# Altium PCB Board.PcbDoc (part 4 of 7)
Units mil, origin at the board's own origin, x right, y up, seen from the top; angles counter-clockwise.
Board outline 7091.76 x 4731.03 mil, 4 copper layers (Top Layer, GND, VCC, Bottom Layer); 297 components, 197 nets, 1031 pads, 468 vias.
Unrouted connection lines stored in the file: 1.
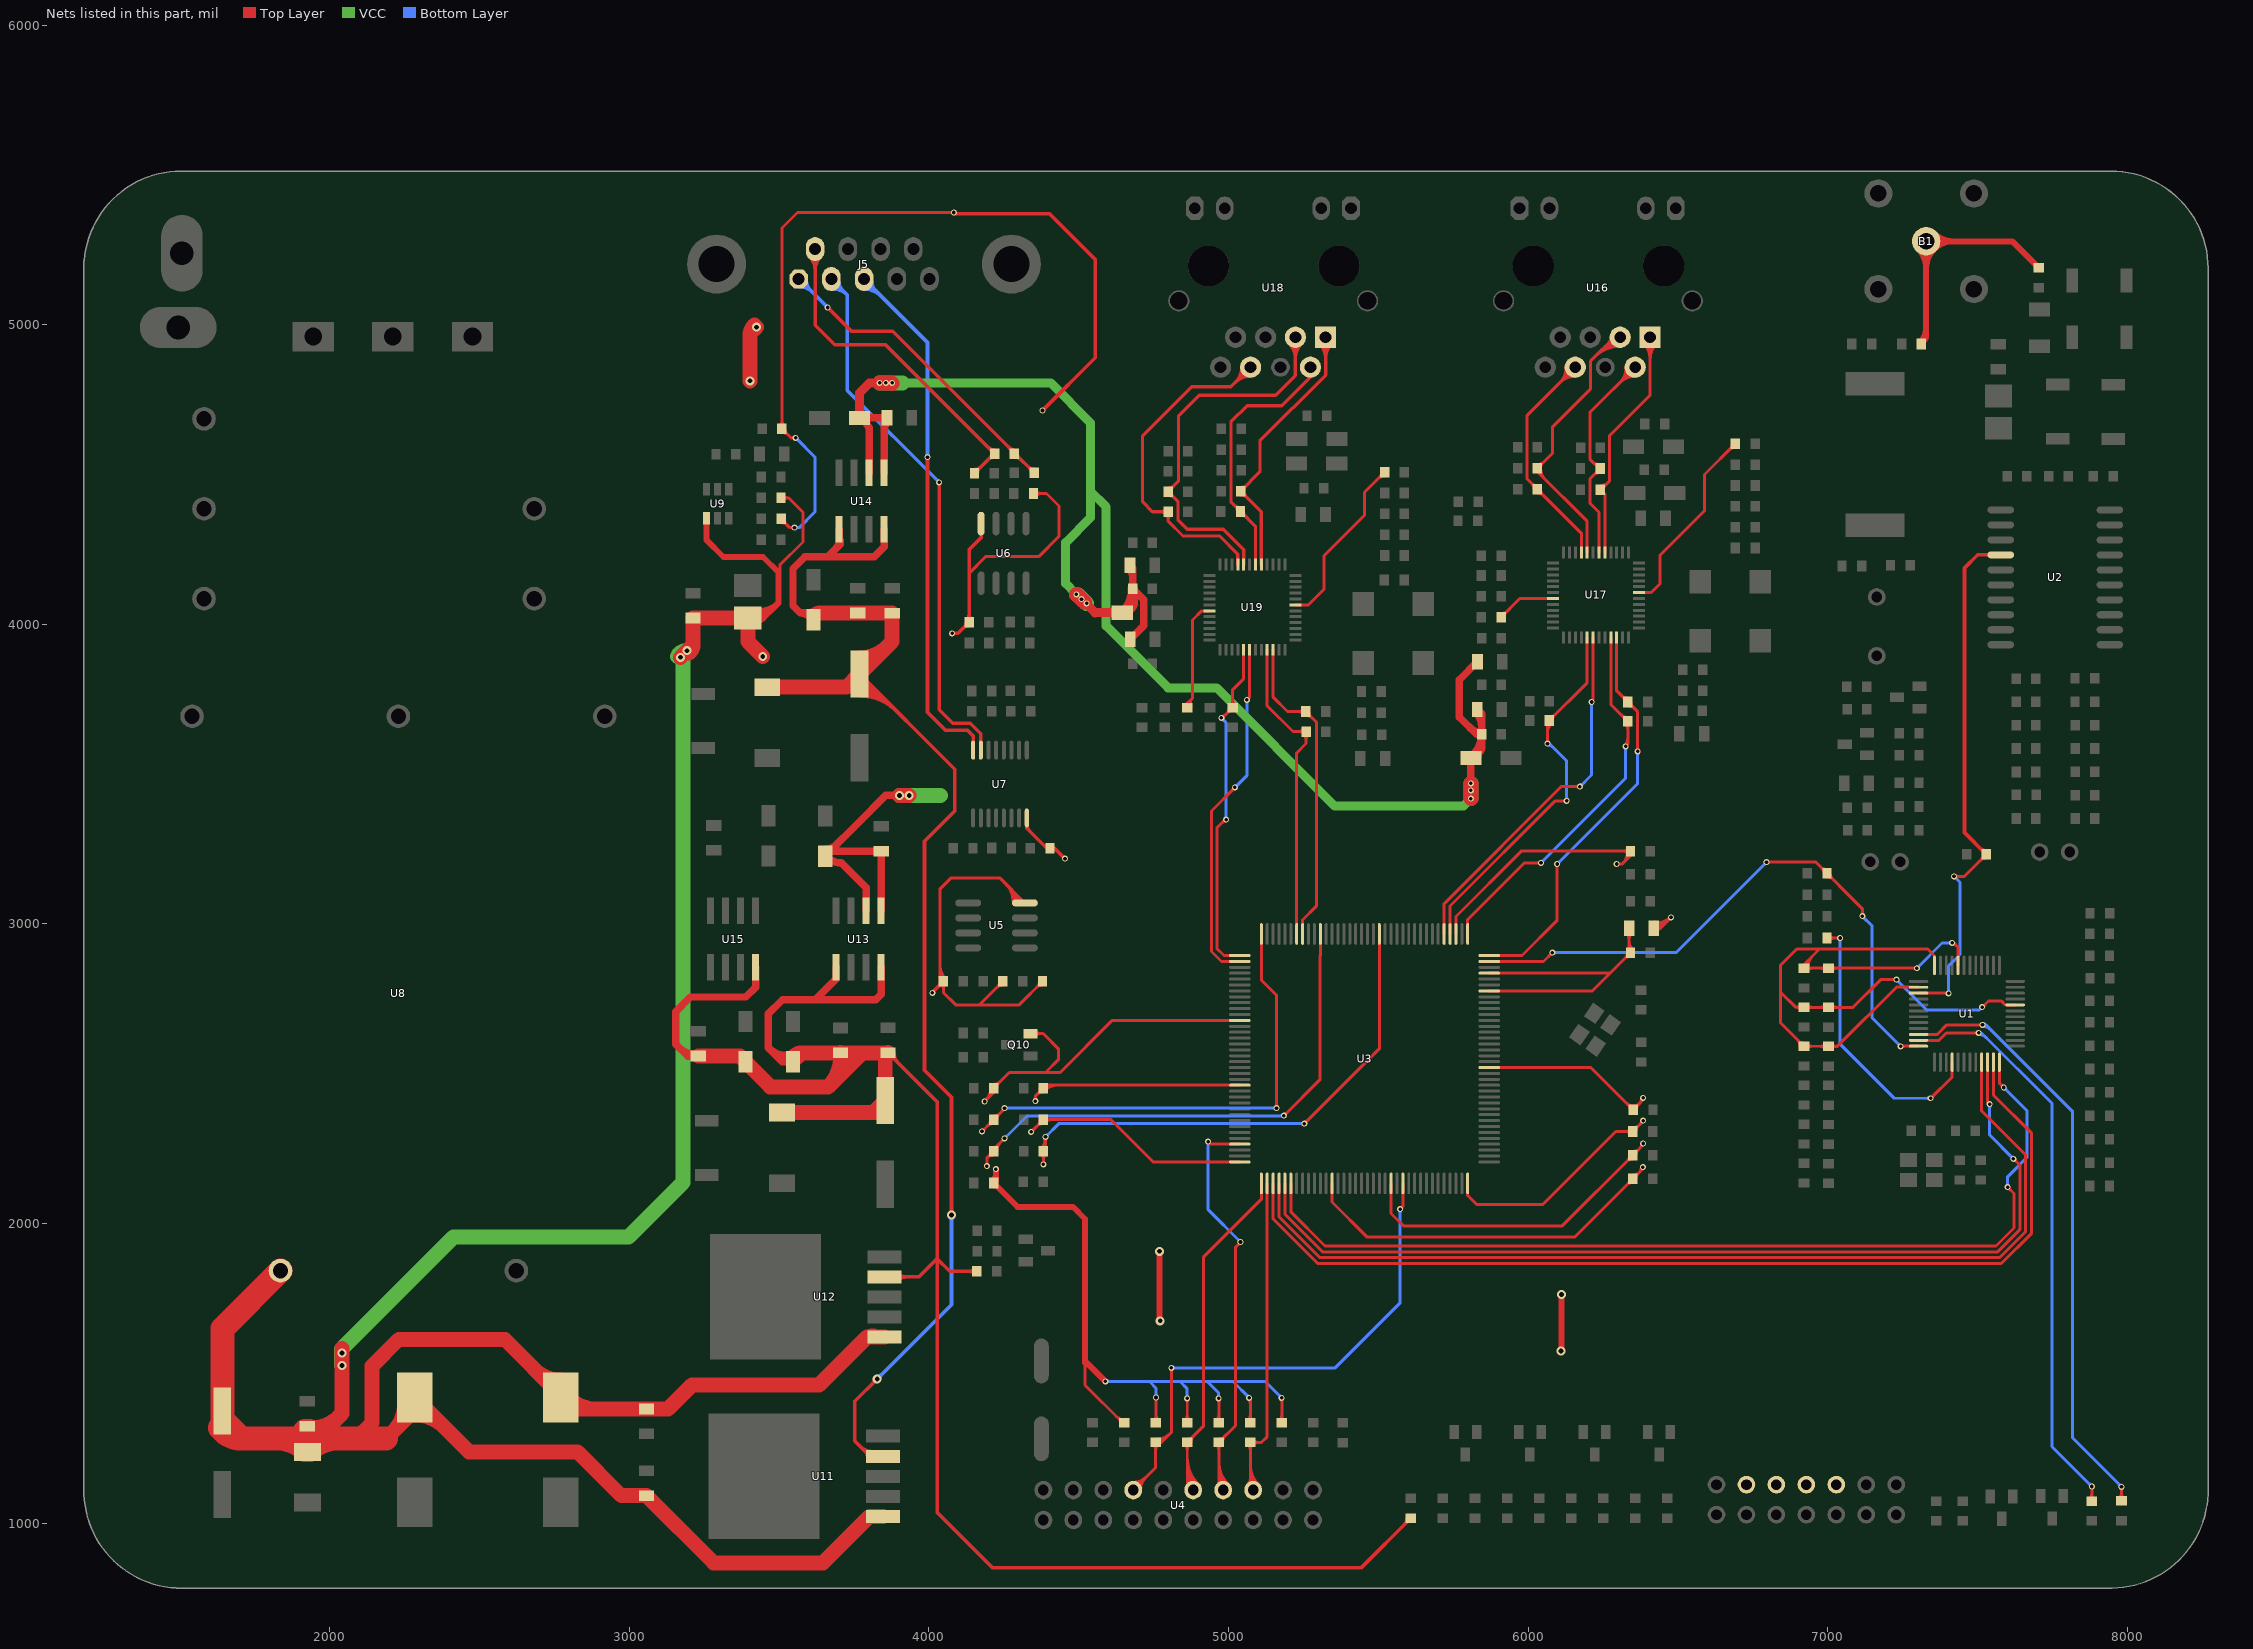
[diagram p6: the nets of this part, all layers, seen from the top]

## Via types
v1: diameter 20, hole 12, Top Layer to Bottom Layer, 399 vias
v2: diameter 30, hole 16, Top Layer to Bottom Layer, 68 vias
v3: diameter 25, hole 15, Top Layer to Bottom Layer, 1 vias

## Nets (pads, with @x,y where several pads share a name; then routed paths per layer and width w, separated by ;. In a path a pad name is that pad's centre, name@x,y a point inside that pad or via, vN(x,y) a via of type N, cw(c..) or ccw(c..) an arc to the next point about the centre after c; other vN are vias at no path point) (continued)
PWDN1: R91.2 U3.66 U19.45 | length 1124.7
  Top Layer w10: U19.45@5129.21,3915.27 5129.21,3727.79 5215,3642 5249,3642 R91.2@5258,3651 ; U3.66@5227.62,2966.34 5227.62,3570.62 5259,3602 R91.2@5259,3641 ; 5230.71,3642 ccw(c5230.71,3671.25) R91.2@5251.4,3650.57 ; 5235.39,3642 cw(c5235.39,3619.36) R91.2@5251.4,3635.37 ; R91.2@5251.4,3631.43 cw(c5233.05,3613.08) 5259,3613.08 cw(c5284.95,3613.08) R91.2@5266.6,3631.43
PWDN2: R71.2 U3.37 U17.45 | length 1433.7
  Top Layer w10: U3.37@5798.49,2966.34 5798.49,3014.49 5988,3204 v1(6043,3204) ; v1@6039.46,3200.46 ccw(c6030.93,3191.93) 6030.93,3204 ccw(c6030.93,3216.07) v1@6039.46,3207.54 ; U17.45@6276.21,3956.27 6276.21,3732.79 R71.2@6333,3676 6333,3600 v1(6326,3593) ; 6311.29,3697.71 ccw(c6333,3719.42) R71.2@6333,3688.72 ; 6316.04,3692.96 cw(c6301.06,3677.97) R71.2@6322.25,3677.97 ; v1@6322.46,3596.54 ccw(c6297.03,3621.97) 6333,3621.97 ; R71.2@6325.4,3666.43 cw(c6307.05,3648.08) 6333,3648.08 cw(c6358.95,3648.08) R71.2@6340.6,3666.43
  Bottom Layer w10: v1(6043,3204) 6326,3487 v1(6326,3593) ; v1@6043,3209 ccw(c6043,3221.07) 6051.54,3212.54 ccw(c6060.07,3204) v1@6048,3204 ; v1@6322.46,3589.46 cw(c6313.93,3580.93) 6326,3580.93 cw(c6338.07,3580.93) v1@6329.54,3589.46
RESET1: R102.2 U3.65 U19.46 | length 1145.1
  Top Layer w10: U19.46@5148.9,3915.27 5148.9,3757.1 5197,3709 R102.2@5258,3709 5293,3674 5293,3059.37 5247,3013.37 5247,2966.65 U3.65@5247.31,2966.34 ; R102.2@5250.4,3701.4 ccw(c5232.05,3683.05) 5232.05,3709 ccw(c5232.05,3734.95) R102.2@5250.4,3716.6 ; R102.2@5258,3696.28 cw(c5258,3665.58) 5279.71,3687.29 ; R102.2@5268.75,3707.03 ccw(c5289.94,3707.03) 5274.96,3692.04
RESET2: R82.2 U3.36 U17.46 | length 1523.1
  Top Layer w10: U3.36@5870.34,2894.49 5979.49,2894.49 6097,3012 v1(6097,3200) ; v1@6093.46,3196.46 cw(c6084.93,3187.93) 6097,3187.93 cw(c6109.07,3187.93) v1@6100.54,3196.46 ; U17.46@6295.9,3956.27 6295.9,3778.1 6366,3708 v1(6366,3576) v1@6370,3572 ; 6311.29,3762.71 ccw(c6333,3784.42) R82.2@6333,3753.72 ; 6316.04,3757.96 cw(c6301.06,3742.97) R82.2@6322.25,3742.97 ; R82.2@6333,3728.28 cw(c6333,3697.58) 6354.71,3719.29 ; R82.2@6343.75,3739.03 ccw(c6364.94,3739.03) 6349.96,3724.04 ; v1@6362.46,3579.54 ccw(c6353.93,3588.07) 6366,3588.07 ccw(c6378.07,3588.07) v1@6369.54,3579.54
  Bottom Layer w10: v1(6097,3200) 6366,3469 v1(6366,3576) ; v1@6097,3205 ccw(c6097,3217.07) 6105.54,3208.54 ccw(c6114.07,3200) v1@6102,3200 ; v1@6362.46,3572.46 cw(c6353.93,3563.93) 6366,3563.93 cw(c6378.07,3563.93) v1@6369.54,3572.46
RS232_RX: J5.2 U7.7 | length 1937
  Top Layer w12: v1(4034,4474) 4034,3715 4079,3670 4138,3670 4173.02,3634.98 U7.7@4173.02,3580.19
  Bottom Layer w12: J5.2@3674.17,5152.91 3727,5100.08 ; J5.2@3675.14,5130.95 cw(c3678.34,5088.41) 3708.51,5118.57 ; J5.2@3676.04,5118.98 cw(c3680.92,5054.01) 3727,5100.08 ; J5.2@3699.17,5143.91 ccw(c3737.79,5143.91) 3710.48,5116.6 ; v1(4034,4474) 3727,4781 3727,5100.08
RS232_TX: J5.3 U7.8 | length 1902.8
  Top Layer w12: v1(3995,4558) 3995,3707 4056,3646 4129,3646 4147.43,3627.57 U7.8@4147.43,3580.19
  Bottom Layer w12: J5.3@3783.33,5118.91 cw(c3783.33,5036.83) 3841.37,5094.87 ; J5.3@3783.33,5130.91 cw(c3783.33,5077.8) 3820.89,5115.36 ; J5.3@3783.33,5152.91 3995,4941.25 v1(3995,4558) ; J5.3@3808.33,5143.91 ccw(c3846.96,5143.91) 3819.65,5116.6
RS485_A: J5.1 R44.2 R47.1 | length 1290
  Top Layer w12: v1(3662,5058) 3741,4979 3879,4979 4285,4573 R44.2@4285,4570 4287,4570 R47.1@4351,4506 ; 4267.63,4590.37 cw(c4249.23,4571.97) R44.2@4275.25,4571.97 ; 4270.12,4587.88 ccw(c4285,4602.76) R44.2@4285,4581.72 ; R44.2@4285,4558.28 cw(c4285,4525.17) 4308.42,4548.58 ; R44.2@4294.75,4568.03 ccw(c4308.7,4568.03) R44.2@4298.83,4558.17 ; 4331,4526 ccw(c4351,4546) R47.1@4351,4517.72 ; R47.1@4335.75,4521.25 cw(c4322.47,4507.97) R47.1@4341.25,4507.97
  Bottom Layer w12: J5.1@3565,5127.91 cw(c3565,5062.52) 3611.24,5108.76 ; J5.1@3565,5139.91 cw(c3565,5103.49) 3590.75,5129.25 ; J5.1@3565,5152.91 3567.09,5152.91 v1(3662,5058) ; J5.1@3590,5152.91 ccw(c3645.32,5152.91) 3606.2,5113.8
RS485_B: J5.6 R43.1 R44.1 | length 1379.5
  Top Layer w12: J5.6@3602.32,5226.24 cw(c3559.64,5183.56) 3620,5183.56 cw(c3680.36,5183.56) J5.6@3637.68,5226.24 ; J5.6@3610.81,5234.72 cw(c3588.62,5212.53) 3620,5212.53 cw(c3651.38,5212.53) J5.6@3629.19,5234.72 ; J5.6@3620,5252.91 3620,4999 3685,4934 3855,4934 R44.1@4219,4570 4217,4570 R43.1@4152,4505 ; R43.1@4152,4516.72 ccw(c4152,4545) 4172,4525 ; R43.1@4161.75,4506.97 cw(c4180.53,4506.97) R43.1@4167.25,4520.25 ; 4195.58,4548.58 cw(c4219,4525.17) R44.1@4219,4558.28 ; 4199,4590 ccw(c4219,4610) R44.1@4219,4581.72 ; R44.1@4203.75,4585.25 cw(c4190.47,4571.97) R44.1@4209.25,4571.97 ; R44.1@4205.17,4558.17 ccw(c4195.3,4568.03) R44.1@4209.25,4568.03
RST1: R31.2 U1.24 U3.35 | length 2234.2
  Top Layer w10: U3.35@5870.34,2874.8 6051.8,2874.8 v1(6081,2904) ; v1@6076,2904 cw(c6063.93,2904) 6072.46,2895.46 cw(c6081,2886.93) v1@6081,2899 ; v1(6796,3206) 6961,3206 7116,3051 v1(7116,3026) ; v1@6799.54,3202.46 cw(c6808.07,3193.93) 6808.07,3206 cw(c6808.07,3218.07) v1@6799.54,3209.54 ; 6976.29,3190.71 ccw(c6998,3212.42) R31.2@6998,3181.72 ; 6981.04,3185.96 cw(c6966.06,3170.97) R31.2@6987.25,3170.97 ; R31.2@6998,3156.28 cw(c6998,3125.58) 7019.71,3147.29 ; R31.2@7008.75,3167.03 ccw(c7029.94,3167.03) 7014.96,3152.04 ; v1@7112.46,3029.54 ccw(c7103.93,3038.07) 7116,3038.07 ccw(c7128.07,3038.07) v1@7119.54,3029.54 ; v1(7244,2591) 7244.73,2591.73 U1.24@7303.58,2591.73 ; v1@7247.54,2587.46 cw(c7257.84,2577.16) 7257.84,2591.73 ; v1@7247.54,2594.54 ccw(c7254.3,2601.3) 7254.3,2591.73
  Bottom Layer w10: v1(6081,2904) 6494,2904 v1(6796,3206) ; v1@6084.54,2900.46 cw(c6093.07,2891.93) 6093.07,2904 cw(c6093.07,2916.07) v1@6084.54,2907.54 ; v1@6791,3206 cw(c6778.93,3206) 6787.46,3197.46 cw(c6796,3188.93) v1@6796,3201 ; v1(7116,3026) 7148,2994 7148,2687 v1(7244,2591) ; v1@7239,2591 ccw(c7226.93,2591) 7235.46,2599.54 ccw(c7244,2608.07) v1@7244,2596
RSV1: R98.2 U19.7 | length 631.9
  Top Layer w10: U19.7@5224,4065.11 5267.11,4065.11 5319,4117 5319,4229.08 5454,4364.08 5454,4441 R98.2@5521,4508 ; 5499.29,4486.29 cw(c5521,4464.58) R98.2@5521,4495.28 ; 5504.04,4491.04 ccw(c5489.06,4506.03) R98.2@5510.25,4506.03
RSV2: R78.2 U17.7 | length 694.1
  Top Layer w10: U17.7@6371,4106.11 6411.11,4106.11 6440,4135 6440,4230 6589,4379 6589,4500 R78.2@6692,4603 ; 6670.29,4581.29 cw(c6692,4559.58) R78.2@6692,4590.28 ; 6675.04,4586.04 ccw(c6660.06,4601.03) R78.2@6681.25,4601.03
RX_LED: R21.1 U1.23 | length 2062.1
  Top Layer w10: U1.23@7303.58,2611.42 7371.89,2611.42 7396.47,2636 v1(7504,2636) ; v1@7500.46,2632.46 ccw(c7491.93,2623.93) 7491.93,2636 ccw(c7491.93,2648.07) v1@7500.46,2639.54 ; R21.1@7874.4,1080.6 ccw(c7856.05,1098.95) 7882,1098.95 ccw(c7907.95,1098.95) R21.1@7889.6,1080.6 ; v1@7878.46,1118.46 cw(c7869.93,1109.93) 7882,1109.93 cw(c7894.07,1109.93) v1@7885.54,1118.46 ; R21.1@7882,1073 v1(7882,1122)
  Bottom Layer w10: v1@7504,2631 cw(c7504,2594.79) 7529.61,2620.39 ; v1(7504,2636) 7514,2636 7749,2401 7749,1255 v1(7882,1122) ; v1@7877,1122 ccw(c7864.93,1122) 7873.46,1130.54 ccw(c7882,1139.07) v1@7882,1127
RXN1: R109.1 U18.6 U19.21 | length 1381.9
  Top Layer w11: R109.1@4790.9,4366.79 cw(c4773.41,4349.29) 4798.15,4349.29 cw(c4822.89,4349.29) R109.1@4805.4,4366.79 ; R109.1@4790.9,4368.75 ccw(c4773.41,4351.26) 4773.41,4376 ccw(c4773.41,4400.74) R109.1@4790.9,4383.25 ; U19.21@5030.79,4199.27 5030.79,4234.21 4970,4295 4848,4295 4798.15,4344.85 R109.1@4798.15,4376 4746,4376 4713,4409 4713,4629 4877,4793 5007.98,4793 U18.6@5073.45,4858.47 ; U18.6@5043.52,4858.47 cw(c4971.25,4858.47) 5022.35,4807.37 cw(c5073.45,4756.27) U18.6@5073.45,4828.53 ; U18.6@5054.52,4858.47 cw(c5008.81,4858.47) 5041.13,4826.14 cw(c5073.45,4793.82) U18.6@5073.45,4839.53
RXN2: R89.1 U16.6 U17.21 | length 1034
  Top Layer w10: 6009.29,4472.71 ccw(c6031,4494.42) R89.1@6031,4463.72 ; 6014.04,4467.96 cw(c5999.06,4452.97) R89.1@6020.25,4452.97 ; R89.1@6031,4438.28 cw(c6031,4407.58) 6052.71,4429.29 ; R89.1@6041.75,4449.03 ccw(c6062.94,4449.03) 6047.96,4434.04 ; U16.6@6127.02,4858.47 cw(c6053.54,4858.47) 6105.5,4806.51 cw(c6157.45,4754.56) U16.6@6157.45,4828.03 ; U16.6@6137.02,4858.47 cw(c6087.69,4858.47) 6122.57,4823.58 cw(c6157.45,4788.7) U16.6@6157.45,4838.03 ; U16.6@6157.45,4858.47 5997,4698.02 5997,4485 R89.1@6031,4451 6177.79,4304.21 U17.21@6177.79,4240.27
RXP1: R108.1 U18.3 U19.20 | length 1522.1
  Top Layer w11: R108.1@4798.15,4431.12 cw(c4798.15,4401.62) 4819,4422.48 ; R108.1@4798.15,4455.55 ccw(c4798.15,4485.04) 4819,4464.19 ; R108.1@4808.4,4441.36 ccw(c4828.39,4441.36) 4814.25,4427.23 ; R108.1@4808.4,4445.3 cw(c4828.39,4445.3) 4814.25,4459.44 ; U19.20@5050.47,4199.27 5050.47,4249.53 4982,4318 4862,4318 4831,4349 4831,4410.48 R108.1@4798.15,4443.33 4832.9,4478.09 4832.9,4486.79 4832.75,4486.94 4832.75,4694.75 4903,4765 5157,4765 5222.51,4830.51 5222.51,4957.53 U18.3@5223.45,4958.47 ; U18.3@5202.28,4937.3 cw(c5153.44,4888.45) 5222.51,4888.45 ; U18.3@5210.06,4945.08 cw(c5179.99,4915.01) 5222.51,4915.01 ; 5222.51,4883.95 cw(c5297.97,4883.95) U18.3@5244.61,4937.3 ; 5222.51,4910.5 cw(c5271.41,4910.5) U18.3@5236.84,4945.08
RXP2: R88.1 U16.3 U17.20 | length 1286.6
  Top Layer w10: R88.1@6031,4534 ccw(c6031,4565.37) 6053.19,4543.19 ; R88.1@6031.75,4519.31 ccw(c6054.91,4519.31) 6038.53,4502.93 ; R88.1@6041.75,4519.31 ccw(c6089.05,4519.31) 6055.6,4485.86 ; R88.1@6041.75,4523.25 cw(c6062.27,4523.25) 6047.76,4537.76 ; U17.20@6197.47,4240.27 6197.47,4343.99 6031,4510.46 R88.1@6031,4521.28 6031.28,4521.28 6082,4572 6082,4660 6209,4787 6209,4880 U16.3@6293.5,4964.5 ; 6221.38,4892.38 cw(c6307.45,4806.32) U16.3@6307.45,4928.03 ; 6238.45,4909.45 cw(c6307.45,4840.46) U16.3@6307.45,4938.03 ; 6255.52,4926.52 cw(c6307.45,4874.6) U16.3@6307.45,4948.03 ; 6269.63,4940.63 ccw(c6251.79,4958.47) U16.3@6277.02,4958.47 ; 6272.6,4943.6 cw(c6307.45,4908.74) U16.3@6307.45,4958.03
SCLK1: U3.74 U19.42 | length 1243
  Top Layer w10: 5011.76,3445.76 ccw(c5001.51,3456) v1@5016,3456 ; 5014.17,3448.17 cw(c5021,3441.34) v1@5021,3451 ; v1@5020.5,3454.5 4943,3377 4943,2908.16 4976.36,2874.8 U3.74@5037.66,2874.8 ; v1(5061,3748) 5070.16,3757.16 U19.42@5070.16,3915.27 ; v1@5061,3753 ccw(c5061,3765.07) 5069.54,3756.54 ccw(c5078.07,3748) v1@5066,3748
  Bottom Layer w10: v1(5021,3456) 5022,3456 5061,3495 v1(5061,3748) ; v1@5021,3461 ccw(c5021,3475.49) 5031.24,3465.24 ; v1@5026,3456 cw(c5035.66,3456) 5028.83,3462.83 ; v1@5057.46,3744.46 cw(c5048.93,3735.93) 5061,3735.93 cw(c5073.07,3735.93) v1@5064.54,3744.46
SCLK2: U3.41 U17.42 | length 1289.7
  Top Layer w10: U3.41@5719.75,2966.34 5719.75,3067.59 6110.16,3458 v1(6173,3458) ; v1@6169.46,3454.46 ccw(c6160.93,3445.93) 6160.93,3458 ccw(c6160.93,3470.07) v1@6169.46,3461.54 ; v1(6212,3741) 6217.16,3746.16 U17.42@6217.16,3956.27
  Bottom Layer w10: v1(6173,3458) 6212,3497 v1(6212,3741) ; v1@6173,3463 ccw(c6173,3475.07) 6181.54,3466.54 ccw(c6190.07,3458) v1@6178,3458 ; v1@6208.46,3737.46 cw(c6199.93,3728.93) 6212,3728.93 cw(c6224.07,3728.93) v1@6215.54,3737.46
SCS1: R104.2 U3.73 U19.41 | length 1287.5
  Top Layer w10: v1(4976,3688) 4980,3688 R104.2@5014,3722 ; v1@4976,3693 ccw(c4976,3714.73) 4991.36,3699.36 ; 4978.34,3337.34 cw(c4992,3323.69) v1@4992,3343 ; v1@4990,3349 4961,3320 4961,2918 4984.51,2894.49 U3.73@5037.66,2894.49 ; 4992.29,3700.29 ccw(c4970.58,3722) R104.2@5001.28,3722 ; 4997.04,3705.04 cw(c5012.03,3690.06) R104.2@5012.03,3711.25 ; R104.2@5006.4,3729.6 ccw(c4988.05,3747.95) 5014,3747.95 ccw(c5039.95,3747.95) R104.2@5021.6,3729.6 ; R104.2@5014,3715.46 R104.2@5014,3722 ; U19.41@5050.47,3915.27 5050.47,3818.63 5014,3782.16 R104.2@5014,3722
  Bottom Layer w10: v1@4976,3683 cw(c4976,3670.93) 4984.54,3679.46 cw(c4993.07,3688) v1@4981,3688 ; v1(4976,3688) 4991,3673 v1@4991,3348 ; 4991,3362.49 ccw(c5006.49,3362.49) v1@4995.54,3351.54
  other v1: 4992,3348
SCS2: R84.2 U3.40 U17.41 | length 1430.9
  Top Layer w10: U3.40@5739.43,2966.34 5739.43,3059.43 6091,3411 v1(6129,3411) ; v1@6061.46,3605.54 ccw(c6052.93,3614.07) 6065,3614.07 ccw(c6077.07,3614.07) v1@6068.54,3605.54 ; v1(6065,3602) 6065,3673 6197.47,3805.47 U17.41@6197.47,3956.27 ; 6065,3636.6 cw(c6111.43,3636.6) R84.2@6078.6,3669.43 ; 6065,3660.74 cw(c6087.29,3660.74) R84.2@6071.53,3676.5 ; R84.2@6071,3691.72 ccw(c6071,3722.42) 6092.71,3700.71 ; R84.2@6081.75,3680.97 cw(c6102.94,3680.97) 6087.96,3695.96 ; v1@6125.46,3407.46 ccw(c6116.93,3398.93) 6116.93,3411 ccw(c6116.93,3423.07) v1@6125.46,3414.54
  Bottom Layer w10: v1@6065,3597 cw(c6065,3570.44) 6083.78,3589.22 ; v1(6065,3602) 6071,3602 6129,3544 v1(6129,3411) ; v1@6125.46,3414.54 ccw(c6116.93,3423.07) 6129,3423.07 ccw(c6141.07,3423.07) v1@6132.54,3414.54
SHDN: R4.1 U1.28 | length 1024
  Top Layer w10: R4.1@6997.85,2953 v1(7042,2953) ; R4.1@7005.45,2945.4 cw(c7023.8,2927.05) 7023.8,2953 cw(c7023.8,2978.95) R4.1@7005.45,2960.6 ; v1@7038.46,2949.46 ccw(c7029.93,2940.93) 7029.93,2953 ccw(c7029.93,2965.07) v1@7038.46,2956.54 ; v1(7344,2418) 7344.53,2418 7415.79,2489.26 U1.28@7415.79,2538.58
  Bottom Layer w10: v1@7038.46,2949.46 cw(c7029.93,2940.93) 7042,2940.93 cw(c7054.07,2940.93) v1@7045.54,2949.46 ; v1(7042,2953) 7042,2598 7222,2418 v1(7344,2418) ; v1@7340.46,2414.46 ccw(c7331.93,2405.93) 7331.93,2418 ccw(c7331.93,2430.07) v1@7340.46,2421.54
SIGNAL: B1.2 C9.1 R22.2 | length 1162.7
  Top Layer w20: B1.2@7302.66,5252.66 cw(c7239.08,5189.08) 7329,5189.08 cw(c7418.92,5189.08) 7355.34,5252.66 cw(c7418.92,5189.08) 7418.92,5279 cw(c7418.92,5368.92) B1.2@7355.34,5305.34 ; R22.2@7308.94,4942.03 ccw(c7260.5,4990.47) 7329,4990.47 ; R22.2@7312.2,4943.66 ccw(c7309.47,4963) 7329,4963 ; R22.2@7318.26,4940.29 cw(c7330.35,4945.65) 7321,4955 7329,4963 ; R22.2@7318.75,4938.01 cw(c7353.75,4938.25) 7329,4963 ; C9.1@7691.83,5203.17 cw(c7678.65,5190) C9.1@7697.28,5190 ; C9.1@7705,5190 7616,5279 B1.2@7329,5279 7329,4963
SPD1: R101.2 U19.31 | length 419
  Top Layer w10: R101.2@4854,3728 4880,3754 ; R101.2@4865.16,3722.28 cw(c4883.11,3729.66) 4869.39,3743.39 ; R101.2@4874.41,3726.09 cw(c4898.15,3735.85) 4880,3754 ; U19.31@4936,4045.42 4911,4045.42 4880,4014.42 4880,3754
SPD2: R81.2 U17.31 | length 239.6
  Top Layer w10: R81.2@5910,4024 5972.42,4086.42 U17.31@6083,4086.42 ; R81.2@5910,4036.72 ccw(c5910,4067.42) 5931.71,4045.71 ; R81.2@5920.75,4025.97 cw(c5941.94,4025.97) 5926.96,4040.96
SPI3_CLK: U1.35 U3.111 | length 3378.6
  Top Layer w10: U3.111@5148.88,2133.66 5148.88,2014.6 5297.54,1865.94 7579.31,1865.94 7681.06,1967.69 7681.06,2300.89 7553.58,2428.36 U1.35@7553.58,2538.58
SPI3_MISO: U1.33 U3.112 | length 3323
  Top Layer w10: U3.112@5168.57,2133.66 5168.57,2022.76 5305.69,1885.63 7573.54,1885.63 7661.37,1973.46 7661.37,2228.63 7514.21,2375.79 U1.33@7514.21,2538.58
SPI3_MOSI: U1.34 U3.113 | length 3300.1
  Top Layer w10: U3.113@5188.25,2133.66 5188.25,2030.91 5313.85,1905.32 7567.77,1905.32 7641.69,1979.23 7641.69,2195 7620.69,2216 v1(7620,2216) ; U1.34@7533.9,2538.58 7533.9,2405.1 v1(7541,2398) ; v1@7620,2211 cw(c7620,2197.28) 7629.7,2206.98 ; v1@7625,2216 ccw(c7635.42,2216) 7628.05,2208.63
  Bottom Layer w10: v1@7537.46,2394.46 cw(c7528.93,2385.93) 7541,2385.93 cw(c7553.07,2385.93) v1@7544.54,2394.46 ; v1(7541,2398) 7541,2295 v1(7620,2216) ; v1@7615,2216 ccw(c7602.93,2216) 7611.46,2224.54 ccw(c7620,2233.07) v1@7620,2221
SPI3_NSS: U1.36 U3.114 | length 3284.2
  Top Layer w10: U3.114@5207.94,2133.66 5207.94,2039.06 5322,1925 7562,1925 7622,1985 7622,2100 v1(7601,2121) ; U1.36@7573.27,2538.58 7573.27,2468.73 v1(7588,2454) ; v1@7583,2454 ccw(c7570.93,2454) 7579.46,2462.54 ccw(c7588,2471.07) v1@7588,2459 ; v1@7601,2116 cw(c7601,2103.93) 7609.54,2112.46 cw(c7618.07,2121) v1@7606,2121
  Bottom Layer w10: v1@7588,2449 cw(c7588,2436.93) 7596.54,2445.46 cw(c7605.07,2454) v1@7593,2454 ; v1(7588,2454) 7666,2376 7666,2221 7601,2156 v1(7601,2121) ; v1@7597.46,2124.54 ccw(c7588.93,2133.07) 7601,2133.07 ccw(c7613.07,2133.07) v1@7604.54,2124.54
TCK: R35.1 U3.109 U4.9 | length 1500.7
  Top Layer w10: R35.1@4854.58,1261.55 cw(c4836.23,1243.2) 4862.18,1243.2 cw(c4888.12,1243.2) R35.1@4869.78,1261.55 ; 4862.18,1146.12 ccw(c4916.65,1146.12) U4.9@4878.13,1107.6 ; 4862.18,1170.26 ccw(c4940.79,1170.26) U4.9@4885.2,1114.67 ; 4862.18,1194.4 ccw(c4964.93,1194.4) U4.9@4892.27,1121.74 ; 4862.18,1218.55 ccw(c4989.07,1218.55) U4.9@4899.34,1128.82 ; R35.1@4864.14,1279.9 ccw(c4864.14,1301.09) 4879.13,1286.11 ; R35.1@4874.89,1269.15 cw(c4905.59,1269.15) 4883.88,1290.86 ; U4.9@4882,1110 4862.18,1129.82 R35.1@4862.18,1269.15 4916,1322.97 4916,1887 5109.51,2080.51 U3.109@5109.51,2133.66
TDI: R37.1 U3.110 U4.5 | length 1334.2
  Top Layer w10: U4.5@5064.66,1128.82 ccw(c5045.51,1147.96) 5072.59,1147.96 ; R37.1@5064.99,1261.55 cw(c5046.64,1243.2) 5072.59,1243.2 cw(c5098.54,1243.2) R37.1@5080.19,1261.55 ; 5072.59,1145.13 ccw(c5115.65,1145.13) U4.5@5085.2,1114.67 ; 5072.59,1169.27 ccw(c5139.8,1169.27) U4.5@5092.27,1121.75 ; 5072.59,1193.41 ccw(c5163.94,1193.41) U4.5@5099.34,1128.82 ; U4.5@5082,1110 5072.59,1119.41 R37.1@5072.59,1269.15 5110.15,1269.15 5129.2,1288.2 U3.110@5129.2,2133.66 ; R37.1@5082.16,1261.55 cw(c5100.5,1243.2) 5100.5,1269.15 cw(c5100.5,1295.1) R37.1@5082.16,1276.75
TDO: R39.1 U3.133 U4.13 | length 2098.6
  Top Layer w10: U4.13@4682,1110 4756.97,1184.97 R39.1@4756.97,1269.15 4776.15,1269.15 ; U4.13@4682,1126 ccw(c4682,1164.63) 4709.31,1137.31 ; U4.13@4682,1136 ccw(c4682,1198.77) 4726.38,1154.38 ; U4.13@4696.53,1111.47 cw(c4728.05,1111.47) 4705.76,1133.76 ; U4.13@4706.53,1111.47 cw(c4762.19,1111.47) 4722.83,1150.83 ; R39.1@4749.37,1261.55 cw(c4731.02,1243.2) 4756.97,1243.2 cw(c4782.92,1243.2) R39.1@4764.57,1261.55 ; R39.1@4758.94,1269.9 ccw(c4758.94,1313.25) 4789.6,1282.6 ; R39.1@4758.94,1279.9 ccw(c4758.94,1347.4) 4806.67,1299.67 ; R39.1@4768.6,1264.43 cw(c4776.15,1260.75) 4776.15,1269.15 ; R39.1@4768.6,1273.87 ccw(c4776.15,1277.55) 4776.15,1269.15 ; v1@4805.46,1514.46 cw(c4796.93,1505.93) 4809,1505.93 cw(c4821.07,1505.93) v1@4812.54,1514.46 ; v1(4809,1518) 4809,1302 4776.15,1269.15 ; v1(5573,2048) 5581.95,2056.95 U3.133@5581.95,2133.66 ; v1@5573,2053 ccw(c5573,2065.07) 5581.54,2056.54 ccw(c5590.07,2048) v1@5578,2048
  Bottom Layer w10: v1(4809,1518) 5356,1518 5573,1735 v1(5573,2048) ; v1@4812.54,1514.46 cw(c4821.07,1505.93) 4821.07,1518 cw(c4821.07,1530.07) v1@4812.54,1521.54 ; v1@5569.46,2044.46 cw(c5560.93,2035.93) 5573,2035.93 cw(c5585.07,2035.93) v1@5576.54,2044.46
TMS: R38.1 U3.105 U4.7 | length 1691.7
  Top Layer w10: v1(4932,2273) 4940.43,2264.57 U3.105@5037.66,2264.57 ; R38.1@4959.78,1261.55 cw(c4941.43,1243.2) 4967.38,1243.2 cw(c4993.33,1243.2) R38.1@4974.98,1261.55 ; 4967.38,1157.69 ccw(c5028.22,1157.69) U4.7@4985.2,1114.67 ; 4967.38,1181.84 ccw(c5052.36,1181.84) U4.7@4992.27,1121.75 ; 4967.38,1205.98 ccw(c5076.51,1205.98) U4.7@4999.34,1128.82 ; R38.1@4969.35,1279.9 ccw(c4969.35,1301.09) 4984.34,1286.11 ; R38.1@4980.1,1269.15 cw(c5010.8,1269.15) 4989.09,1290.86 ; U4.7@4982,1110 4967.38,1124.62 R38.1@4967.38,1269.15 5023,1324.77 5023,1921 v1(5040,1938) ; v1@5035,1938 cw(c5022.93,1938) 5031.46,1929.46 cw(c5040,1920.93) v1@5040,1933
  Bottom Layer w10: v1@4928.46,2269.46 cw(c4919.93,2260.93) 4932,2260.93 cw(c4944.07,2260.93) v1@4935.54,2269.46 ; v1(4932,2273) 4932,2046 v1(5040,1938) ; v1@5035,1938 ccw(c5022.93,1938) 5031.46,1946.54 ccw(c5040,1955.07) v1@5040,1943
TX_EN: R19.2 U1.15 U2.4 | length 1938.5
  Top Layer w10: U1.15@7303.58,2768.9 7371.37,2768.9 7371.47,2769 v1@7394.53,2769 ; 7389.51,2769 cw(c7389.51,2753.51) v1@7400.46,2764.46 ; v1(7422,3159) 7457,3159 R19.2@7530,3232 ; v1@7425.54,3155.46 cw(c7434.07,3146.93) 7434.07,3159 cw(c7434.07,3171.07) v1@7425.54,3162.54 ; 7508.29,3210.29 cw(c7530,3188.58) R19.2@7530,3219.28 ; 7513.04,3215.04 ccw(c7498.06,3230.03) R19.2@7519.25,3230.03
  Top Layer w12: 7510,3252 ccw(c7530,3272) R19.2@7530,3243.72 ; R19.2@7514.75,3247.25 cw(c7501.47,3233.97) R19.2@7520.25,3233.97 ; R19.2@7530,3232 7457,3305 7457,4188 7501,4232 U2.4@7578,4232 ; U2.4@7541.41,4227.89 ccw(c7531.49,4217.97) 7531.49,4232 ccw(c7531.49,4246.03) U2.4@7541.41,4236.11